# KiCad board noraneko42c.kicad_pcb
date: 2022-09-22
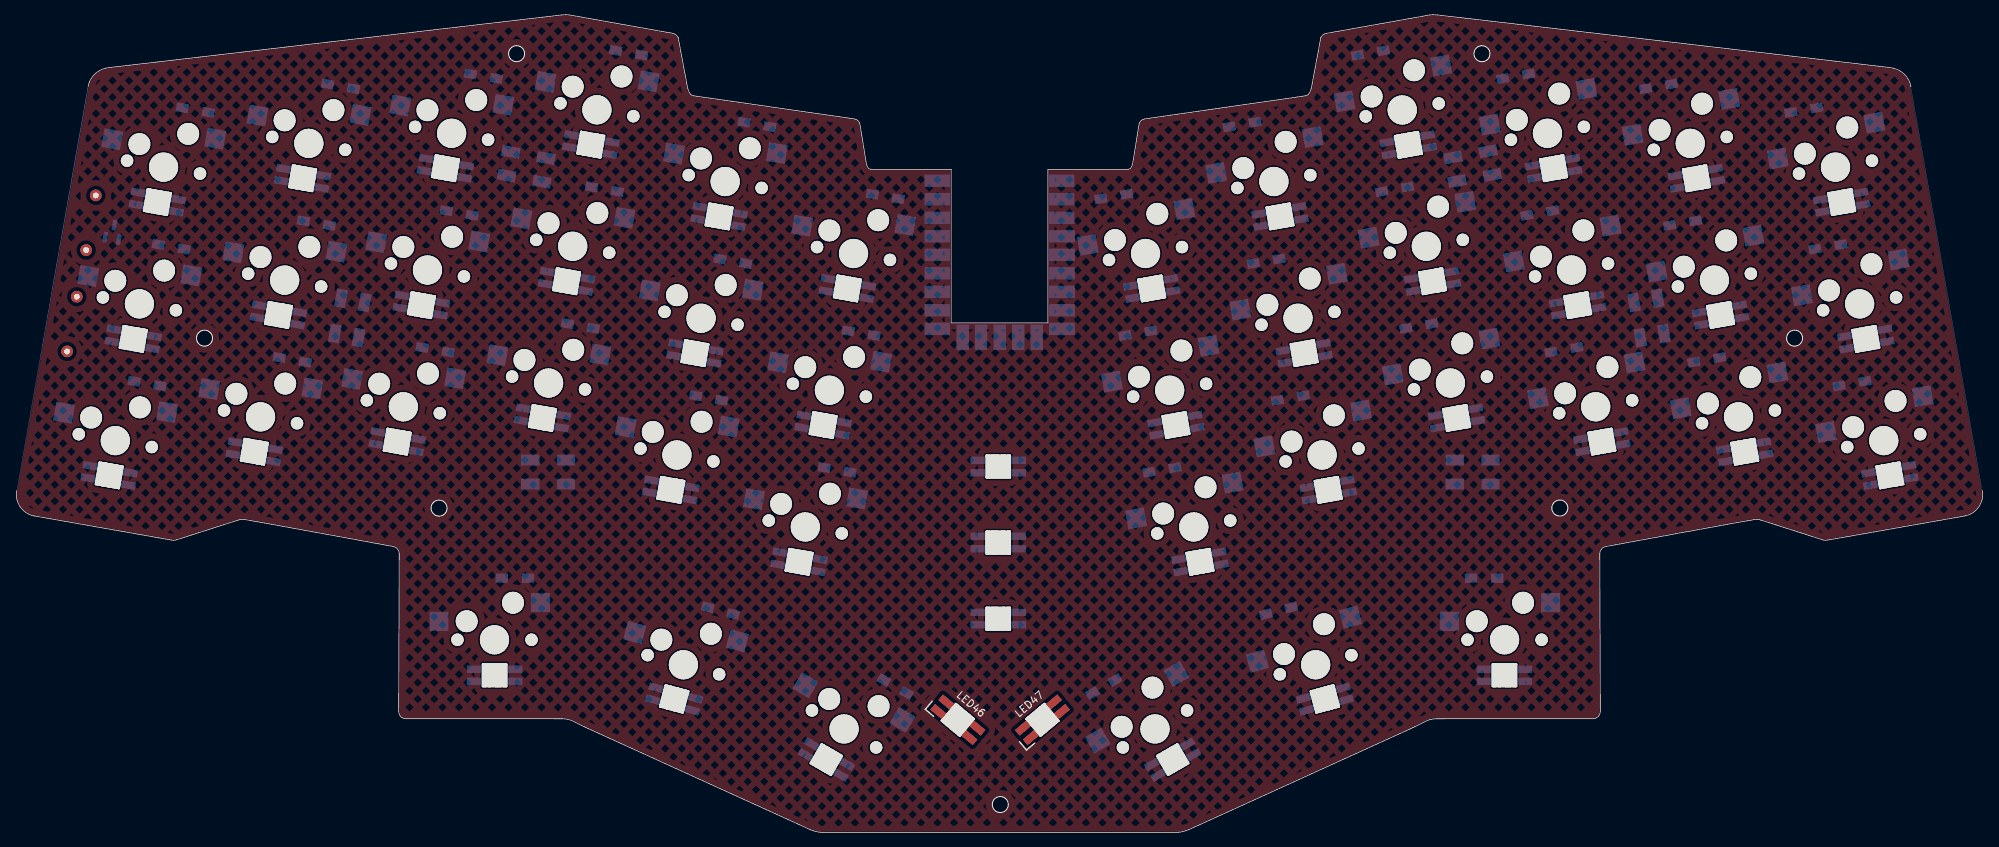
[diagram p0: board, top side]
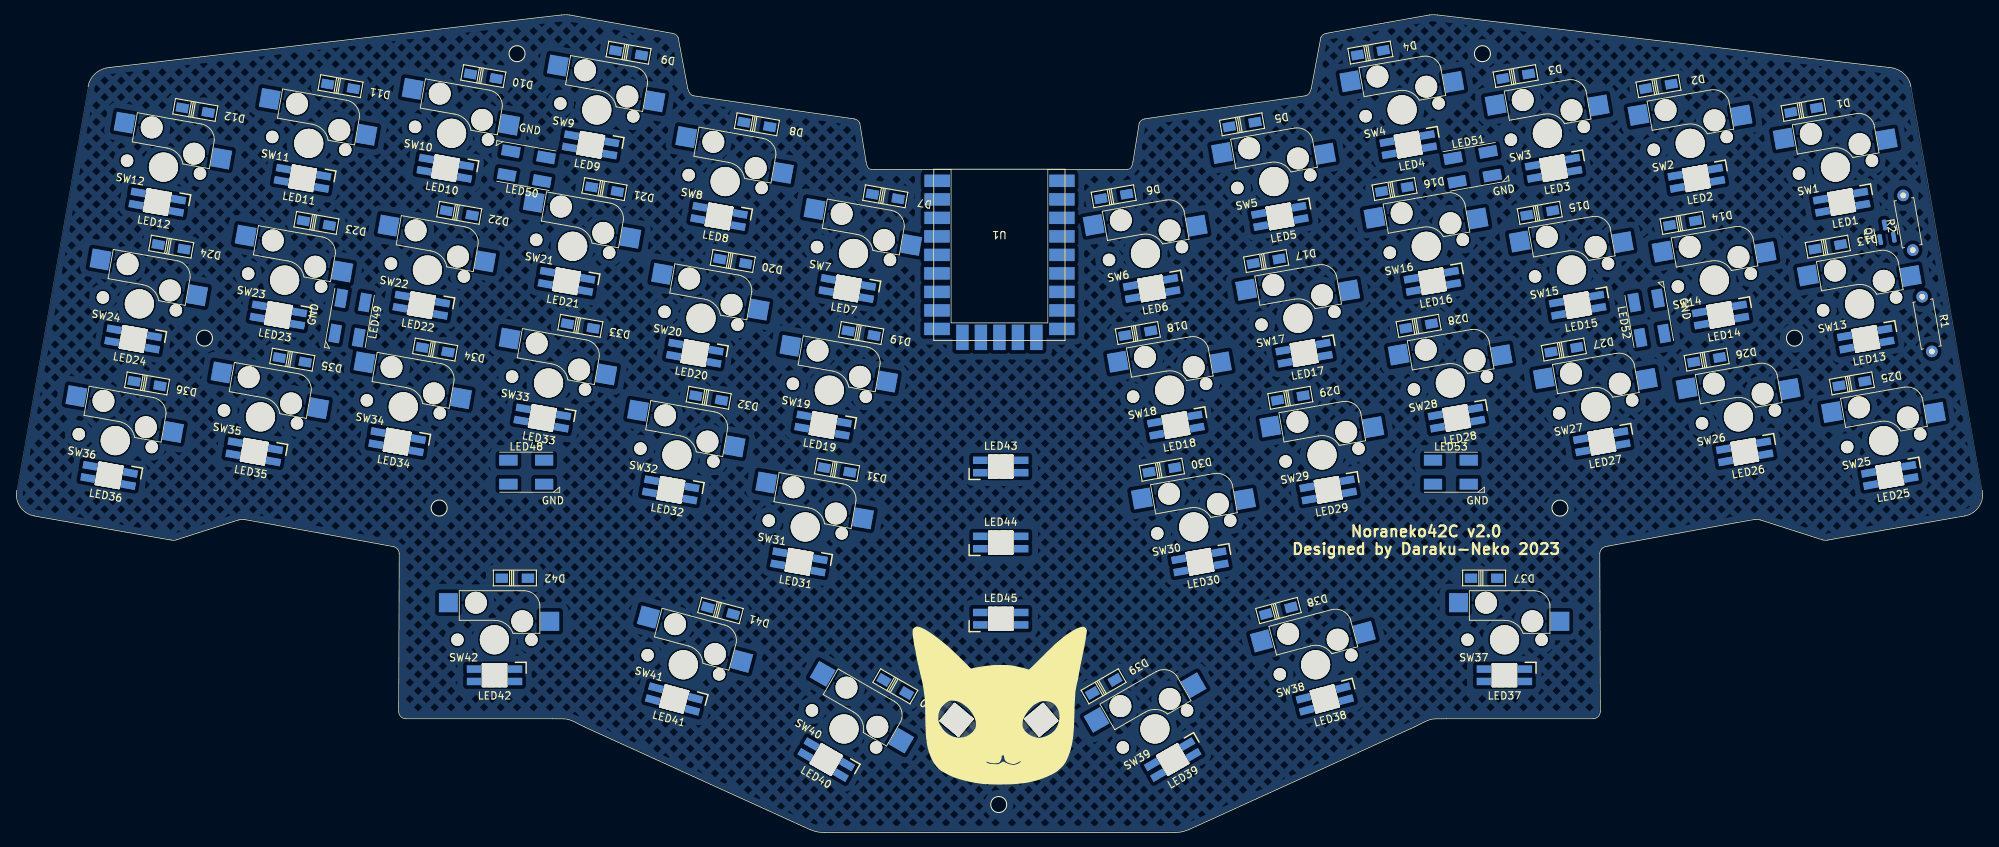
[diagram p1: board, bottom side, seen from below]

Outline 270.16 x 112.21 mm; copper layers: Top, Bottom. Coordinates in mm from the lower left corner of the outline.
Outline path: circle c26.05,67.81 r1.1 ; circle c58.22,44.5 r1.1 ; circle c68.85,106.84 r1.1 ; circle c135.19,3.83 r1.1 ; circle c201.25,106.84 r1.1 ; circle c211.93,44.51 r1.1 ; circle c244.12,67.81 r1.1 ; 22.24,40.16 30.69,42.87 ; 52.68,16.6 52.76,38.24 ; 73.8,15.6 53.68,15.6 ; 74.97,112.15 13.07,104.95 ; 76.12,112.15 90.27,109.63 ; 92.32,102.05 91.01,109.04 ; 93.14,101.06 115.17,97.89 ; 109.13,0.38 78.12,14.5 ; 116.77,92.02 115.92,97.3 ; 128.45,90.97 117.56,90.97 ; 152.6,90.97 141.72,90.97 ; 154.24,97.3 153.39,92.02 ; 154.99,97.89 177.02,101.06 ; 159.08,0.01 111.08,0.01 ; 179.15,109.04 177.84,102.05 ; 179.89,109.63 194.04,112.15 ; 192.04,14.5 161.03,0.38 ; 216.48,15.6 196.36,15.6 ; 217.4,38.24 217.48,16.6 ; 239.47,42.87 247.92,40.16 ; 257.09,104.95 195.19,112.15
Stack: Top 0.035mm / dielectric 1.51mm FR4 er 4.5 / Bottom 0.035mm

## Placement (name value [footprint] x y rotation side)
D1  D  [1N4148W]  24.78 99.1 170 bottom
D2  D  [1N4148W]  44.7 102.36 170 bottom
D3  D  [1N4148W]  64.29 103.74 170 bottom
D4  D  [1N4148W]  84.22 106.97 170 bottom
D5  D  [1N4148W]  101.81 97.13 170 bottom
D6  D  [1N4148W]  119.41 87.25 170 bottom
D7  D  [1N4148W]  150.75 87.25 190 bottom
D8  D  [1N4148W]  168.35 97.13 190 bottom
D9  D  [1N4148W]  185.96 106.95 190 bottom
D10  D  [1N4148W]  205.88 103.74 190 bottom
D11  D  [1N4148W]  225.46 102.36 190 bottom
D12  D  [1N4148W]  245.38 99.1 190 bottom
D13  D  [1N4148W]  21.48 80.34 170 bottom
D14  D  [1N4148W]  41.39 83.6 170 bottom
D15  D  [1N4148W]  60.98 84.98 170 bottom
D16  D  [1N4148W]  80.9 88.24 170 bottom
D17  D  [1N4148W]  98.5 78.37 170 bottom
D18  D  [1N4148W]  116.11 68.49 170 bottom
D19  D  [1N4148W]  154.06 68.49 190 bottom
D20  D  [1N4148W]  171.66 78.37 190 bottom
D21  D  [1N4148W]  189.26 88.24 190 bottom
D22  D  [1N4148W]  209.18 84.98 190 bottom
D23  D  [1N4148W]  228.77 83.6 190 bottom
D24  D  [1N4148W]  248.69 80.34 190 bottom
D25  D  [1N4148W]  18.17 61.58 170 bottom
D26  D  [1N4148W]  38.09 64.84 170 bottom
D27  D  [1N4148W]  57.67 66.22 170 bottom
D28  D  [1N4148W]  77.59 69.48 170 bottom
D29  D  [1N4148W]  95.2 59.61 170 bottom
D30  D  [1N4148W]  112.8 49.73 170 bottom
D31  D  [1N4148W]  157.37 49.73 190 bottom
D32  D  [1N4148W]  174.97 59.61 190 bottom
D33  D  [1N4148W]  192.57 69.48 190 bottom
D34  D  [1N4148W]  212.49 66.22 190 bottom
D35  D  [1N4148W]  232.08 64.84 190 bottom
D36  D  [1N4148W]  252 61.58 190 bottom
D37  D  [1N4148W]  68.62 34.88 180 bottom
D38  D  [1N4148W]  96.81 30.42 165 bottom
D39  D  [1N4148W]  120.79 20.02 150 bottom
D40  D  [1N4148W]  149.38 20.02 210 bottom
D41  D  [1N4148W]  173.35 30.42 195 bottom
D42  D  [1N4148W]  201.55 34.88 180 bottom
LED1  -  [SK6812MINI-E]  19.08 83.6 350 bottom
LED2  -  [SK6812MINI-E]  38.99 86.87 350 bottom
LED3  -  [SK6812MINI-E]  58.58 88.25 350 bottom
LED4  -  [SK6812MINI-E]  78.51 91.48 350 bottom
LED5  -  [SK6812MINI-E]  96.11 81.64 350 bottom
LED6  -  [SK6812MINI-E]  113.71 71.75 350 bottom
LED7  -  [SK6812MINI-E]  156.46 71.75 10 bottom
LED8  -  [SK6812MINI-E]  174.05 81.64 10 bottom
LED9  -  [SK6812MINI-E]  191.66 91.46 10 bottom
LED10  -  [SK6812MINI-E]  211.58 88.25 10 bottom
LED11  -  [SK6812MINI-E]  231.17 86.87 10 bottom
LED12  -  [SK6812MINI-E]  251.09 83.6 10 bottom
LED13  -  [SK6812MINI-E]  15.76 64.83 350 bottom
LED14  -  [SK6812MINI-E]  35.68 68.12 350 bottom
LED15  -  [SK6812MINI-E]  55.28 69.46 350 bottom
LED16  -  [SK6812MINI-E]  75.19 72.74 350 bottom
LED17  -  [SK6812MINI-E]  92.79 62.88 350 bottom
LED18  -  [SK6812MINI-E]  110.38 53.01 350 bottom
LED19  -  [SK6812MINI-E]  159.78 53.01 10 bottom
LED20  -  [SK6812MINI-E]  177.37 62.88 10 bottom
LED21  -  [SK6812MINI-E]  194.97 72.74 10 bottom
LED22  -  [SK6812MINI-E]  214.88 69.46 10 bottom
LED23  -  [SK6812MINI-E]  234.48 68.12 10 bottom
LED24  -  [SK6812MINI-E]  254.4 64.83 10 bottom
LED25  -  [SK6812MINI-E]  12.47 46.11 350 bottom
LED26  -  [SK6812MINI-E]  32.37 49.35 350 bottom
LED27  -  [SK6812MINI-E]  51.97 50.74 350 bottom
LED28  -  [SK6812MINI-E]  71.88 53.98 350 bottom
LED29  -  [SK6812MINI-E]  89.49 44.12 350 bottom
LED30  -  [SK6812MINI-E]  107.08 34.25 350 bottom
LED31  -  [SK6812MINI-E]  163.08 34.25 10 bottom
LED32  -  [SK6812MINI-E]  180.67 44.12 10 bottom
LED33  -  [SK6812MINI-E]  198.28 53.98 10 bottom
LED34  -  [SK6812MINI-E]  218.19 50.74 10 bottom
LED35  -  [SK6812MINI-E]  237.79 49.35 10 bottom
LED36  -  [SK6812MINI-E]  257.69 46.11 10 bottom
LED37  -  [SK6812MINI-E]  65.83 18.64 0 bottom
LED38  -  [SK6812MINI-E]  89.7 15.49 345 bottom
LED39  -  [SK6812MINI-E]  109.87 7.46 330 bottom
LED40  -  [SK6812MINI-E]  160.3 7.46 30 bottom
LED41  -  [SK6812MINI-E]  180.46 15.49 15 bottom
LED42  -  [SK6812MINI-E]  204.33 18.64 0 bottom
LED43  -  [SK6812MINI-E]  134.91 53.13 180 bottom
LED44  -  [SK6812MINI-E]  134.91 42.69 180 bottom
LED45  -  [SK6812MINI-E]  134.91 32.24 180 bottom
LED46  -  [SK6812MINI-E]  131.24 17.69 320 top
LED47  -  [SK6812MINI-E]  139.09 17.69 40 top
LED48  SK6812MINI-E  [WS2812B_PLCC4_5.0x5.0mm#2]  199.98 49.42 180 bottom
LED49  SK6812MINI-E  [WS2812B_PLCC4_5.0x5.0mm#3]  224.16 70.59 280 bottom
LED50  SK6812MINI-E  [WS2812B_PLCC4_5.0x5.0mm#3]  199.97 91.42 10 bottom
LED51  SK6812MINI-E  [WS2812B_PLCC4_5.0x5.0mm]  70.19 91.32 170 bottom
LED52  SK6812MINI-E  [WS2812B_PLCC4_5.0x5.0mm]  45.97 70.58 80 bottom
LED53  SK6812MINI-E  [WS2812B_PLCC4_5.0x5.0mm#2]  73.18 49.42 180 bottom
Q1  BSS138  [SOT-23]  13.52 82.43 80 bottom
R1  1K  [R_Axial_DIN0207_L6.3mm_D2.5mm_P7.62mm_Horizontal]  8.53 73.5 260 bottom
R2  1K  [R_Axial_DIN0207_L6.3mm_D2.5mm_P7.62mm_Horizontal]  9.82 79.9 80 bottom
SW1  SW_Push  [MX_Socket]  20.43 91.28 350 top
SW2  SW_Push  [MX_Socket]  40.35 94.54 350 top
SW3  SW_Push  [MX_Socket]  59.94 95.92 350 top
SW4  SW_Push  [MX_Socket]  79.86 99.15 350 top
SW5  SW_Push  [MX_Socket]  97.46 89.3 350 top
SW6  SW_Push  [MX_Socket]  115.06 79.43 350 top
SW7  SW_Push  [MX_Socket]  155.11 79.43 10 top
SW8  SW_Push  [MX_Socket]  172.71 89.3 10 top
SW9  SW_Push  [MX_Socket]  190.31 99.12 10 top
SW10  SW_Push  [MX_Socket]  210.23 95.92 10 top
SW11  SW_Push  [MX_Socket]  229.82 94.54 10 top
SW12  SW_Push  [MX_Socket]  249.74 91.28 10 top
SW13  SW_Push  [MX_Socket]  17.12 72.52 350 top
SW14  SW_Push  [MX_Socket]  37.04 75.78 350 top
SW15  SW_Push  [MX_Socket]  56.63 77.16 350 top
SW16  SW_Push  [MX_Socket]  76.55 80.42 350 top
SW17  SW_Push  [MX_Socket]  94.15 70.54 350 top
SW18  SW_Push  [MX_Socket]  111.75 60.67 350 top
SW19  SW_Push  [MX_Socket]  158.41 60.67 10 top
SW20  SW_Push  [MX_Socket]  176.02 70.54 10 top
SW21  SW_Push  [MX_Socket]  193.62 80.42 10 top
SW22  SW_Push  [MX_Socket]  213.54 77.16 10 top
SW23  SW_Push  [MX_Socket]  233.13 75.78 10 top
SW24  SW_Push  [MX_Socket]  253.04 72.52 10 top
SW25  SW_Push  [MX_Socket]  13.81 53.76 350 top
SW26  SW_Push  [MX_Socket]  33.73 57.02 350 top
SW27  SW_Push  [MX_Socket]  53.32 58.4 350 top
SW28  SW_Push  [MX_Socket]  73.24 61.66 350 top
SW29  SW_Push  [MX_Socket]  90.84 51.78 350 top
SW30  SW_Push  [MX_Socket]  108.44 41.91 350 top
SW31  SW_Push  [MX_Socket]  161.72 41.91 10 top
SW32  SW_Push  [MX_Socket]  179.33 51.78 10 top
SW33  SW_Push  [MX_Socket]  196.93 61.66 10 top
SW34  SW_Push  [MX_Socket]  216.85 58.4 10 top
SW35  SW_Push  [MX_Socket]  236.43 57.02 10 top
SW36  SW_Push  [MX_Socket]  256.35 53.76 10 top
SW37  SW_Push  [MX_Socket]  65.82 26.43 0 top
SW38  SW_Push  [MX_Socket]  91.73 23.01 345 top
SW39  SW_Push  [MX_Socket]  113.76 14.2 330 top
SW40  SW_Push  [MX_Socket]  156.4 14.2 30 top
SW41  SW_Push  [MX_Socket]  178.44 23.01 15 top
SW42  SW_Push  [MX_Socket]  204.35 26.43 0 top
U1  RP2040-Zero  [RP2040-Zero-SMD]  135.09 79.99 180 bottom

## Library data of the parts
D1-D42 = -: Description: Diode, small symbol; LCSC: C81598; Sim.Pins: 1=K 2=A
LED48-LED53 = -: Field4: 1
Q1 = -: Description: 50V Vds, 0.22A Id, N-Channel MOSFET, SOT-23; LCSC: C2874697
R1 R2 = -: Description: Resistor
SW1-SW42 = -: Description: Push button switch, generic, two pins

## Footprints (pads in the part's own frame, mm; a bottom-side part is the same pattern mirrored in y, then rotated)
1N4148W
  rect 1.7x1.25 smd: 1(-1.8,0) 2(1.8,0)
MX_Socket
  round 1.7 hole 1.7 unplated: (-5.081,-0.001) (5.079,-0.001)
  round 3 hole 3 unplated: (-3.811,2.539) (2.539,5.079)
  round 4 hole 4 unplated: (0,0)
  rect 2.6x2.6 smd far side: 1(6.314,5.079) 2(-7.586,2.539)
R_Axial_DIN0207_L6.3mm_D2.5mm_P7.62mm_Horizontal
  round 1.6 hole 0.8: 1(0,0)
  oval 1.6x1.6 hole 0.8: 2(7.62,0)
RP2040-Zero-SMD
  rect 3.5x1.7 smd: 0(9.47,9.41) 1(9.47,6.87) 2(9.47,4.33) 3(9.47,1.79) 4(9.47,-0.75) 5(9.47,-3.29) 6(9.47,-5.83) 7(9.47,-8.37) 8(9.47,-10.91) 14(-9.46,-10.91) 15(-9.46,-8.37) 26(-9.46,-5.83) 27(-9.46,-3.29) 28(-9.46,-0.75) 29(-9.46,1.79) 30(-9.43,4.33) 31(-9.43,6.87) 32(-9.43,9.41)
  rect 1.7x3.5 smd: 9(5.08,-12.96) 10(2.54,-12.96) 11(0,-12.96) 12(-2.54,-12.96) 13(-5.08,-12.96)
SK6812MINI-E
  oval 0.3x3.3 hole 0.3x3.3 unplated: (-1.6,-2.925) (1.6,-2.925)
  oval 0.5x3.3 hole 0.5x3.3 unplated: (-1.325,-2.925) (1.325,-2.925)
  oval 1.5x3.3 hole 1.5x3.3 unplated: (-0.7,-2.925) (0.25,-2.925) (0.675,-2.925)
  oval 3.5x0.3 hole 3.5x0.3 unplated: (0,-1.425) (0,-4.425)
  rect 2x1.02 smd: 1(2.8,-2.067) 2(2.8,-3.768) 3(-2.8,-3.768) 4(-2.8,-2.067)
SOT-23
  rrect 1.475x0.6 smd: 1(-0.938,0.95) 2(-0.938,-0.95) 3(0.938,0)
WS2812B_PLCC4_5.0x5.0mm
  rect 2.5x1.5 smd: 1(-2.45,1.65) 2(-2.45,-1.65) 3(2.45,-1.65) 4(2.45,1.65)
WS2812B_PLCC4_5.0x5.0mm#2
  rect 2.5x1.5 smd: 1(-2.45,1.65) 2(-2.45,-1.65) 3(2.45,-1.65) 4(2.45,1.65)
WS2812B_PLCC4_5.0x5.0mm#3
  rect 2.5x1.5 smd: 1(-2.45,1.65) 2(-2.45,-1.65) 3(2.45,-1.65) 4(2.45,1.65)

## Nets
+3.3V: Q1.1 R1.1 U1.30
+5V: LED1.1 LED2.1 LED3.1 LED4.1 LED5.1 LED6.1 LED7.1 LED8.1 LED9.1 LED10.1 LED11.1 LED12.1 LED13.1 LED14.1 LED15.1 LED16.1 LED17.1 LED18.1 LED19.1 LED20.1 LED21.1 LED22.1 LED23.1 LED24.1 LED25.1 LED26.1 LED27.1 LED28.1 LED29.1 LED30.1 LED31.1 LED32.1 LED33.1 LED34.1 LED35.1 LED36.1 LED37.1 LED38.1 LED39.1 LED40.1 LED41.1 LED42.1 LED43.1 LED44.1 LED45.1 LED46.1 LED47.1 LED48.1 LED49.1 LED50.1 LED51.1 LED52.1 LED53.1 R2.1 U1.32
GND: LED1.3 LED2.3 LED3.3 LED4.3 LED5.3 LED6.3 LED7.3 LED8.3 LED9.3 LED10.3 LED11.3 LED12.3 LED13.3 LED14.3 LED15.3 LED16.3 LED17.3 LED18.3 LED19.3 LED20.3 LED21.3 LED22.3 LED23.3 LED24.3 LED25.3 LED26.3 LED27.3 LED28.3 LED29.3 LED30.3 LED31.3 LED32.3 LED33.3 LED34.3 LED35.3 LED36.3 LED37.3 LED38.3 LED39.3 LED40.3 LED41.3 LED42.3 LED43.3 LED44.3 LED45.3 LED46.3 LED47.3 LED48.3 LED49.3 LED50.3 LED51.3 LED52.3 LED53.3 U1.31
COL0: SW1.1 SW13.1 SW25.1 U1.1
COL1: SW2.1 SW14.1 SW26.1 U1.2
COL2: SW3.1 SW15.1 SW27.1 U1.3
COL3: SW4.1 SW16.1 SW28.1 SW37.1 U1.4
COL4: SW5.1 SW17.1 SW29.1 SW38.1 U1.5
COL5: SW6.1 SW18.1 SW30.1 SW39.1 U1.6
COL6: SW7.1 SW19.1 SW31.1 SW40.1 U1.7
COL7: SW8.1 SW20.1 SW32.1 SW41.1 U1.8
COL8: SW9.1 SW21.1 SW33.1 SW42.1 U1.9
COL9: SW10.1 SW22.1 SW34.1 U1.10
COL10: SW11.1 SW23.1 SW35.1 U1.11
COL11: SW12.1 SW24.1 SW36.1 U1.12
LED3.3V: Q1.2 R1.2 U1.0
LED5V: LED1.4 Q1.3 R2.2
ROW0: D1.1 D2.1 D3.1 D4.1 D5.1 D6.1 D7.1 D8.1 D9.1 D10.1 D11.1 D12.1 U1.15
ROW1: D13.1 D14.1 D15.1 D16.1 D17.1 D18.1 D19.1 D20.1 D21.1 D22.1 D23.1 D24.1 U1.26
ROW2: D25.1 D26.1 D27.1 D28.1 D29.1 D30.1 D31.1 D32.1 D33.1 D34.1 D35.1 D36.1 U1.27
ROW3: D37.1 D38.1 D39.1 D40.1 D41.1 D42.1 U1.28
Net-(D1-A): D1.2 SW1.2
Net-(D2-A): D2.2 SW2.2
Net-(D3-A): D3.2 SW3.2
Net-(D4-A): D4.2 SW4.2
Net-(D5-A): D5.2 SW5.2
Net-(D6-A): D6.2 SW6.2
Net-(D7-A): D7.2 SW7.2
Net-(D8-A): D8.2 SW8.2
Net-(D9-A): D9.2 SW9.2
Net-(D10-A): D10.2 SW10.2
Net-(D11-A): D11.2 SW11.2
Net-(D12-A): D12.2 SW12.2
Net-(D13-A): D13.2 SW13.2
Net-(D14-A): D14.2 SW14.2
Net-(D15-A): D15.2 SW15.2
Net-(D16-A): D16.2 SW16.2
Net-(D17-A): D17.2 SW17.2
Net-(D18-A): D18.2 SW18.2
Net-(D19-A): D19.2 SW19.2
Net-(D20-A): D20.2 SW20.2
Net-(D21-A): D21.2 SW21.2
Net-(D22-A): D22.2 SW22.2
Net-(D23-A): D23.2 SW23.2
Net-(D24-A): D24.2 SW24.2
Net-(D25-A): D25.2 SW25.2
Net-(D26-A): D26.2 SW26.2
Net-(D27-A): D27.2 SW27.2
Net-(D28-A): D28.2 SW28.2
Net-(D29-A): D29.2 SW29.2
Net-(D30-A): D30.2 SW30.2
Net-(D31-A): D31.2 SW31.2
Net-(D32-A): D32.2 SW32.2
Net-(D33-A): D33.2 SW33.2
Net-(D34-A): D34.2 SW34.2
Net-(D35-A): D35.2 SW35.2
Net-(D36-A): D36.2 SW36.2
Net-(D37-A): D37.2 SW37.2
Net-(D38-A): D38.2 SW38.2
Net-(D39-A): D39.2 SW39.2
Net-(D40-A): D40.2 SW40.2
Net-(D41-A): D41.2 SW41.2
Net-(D42-A): D42.2 SW42.2
Net-(LED1-DOUT): LED1.2 LED2.4
Net-(LED2-DOUT): LED2.2 LED3.4
Net-(LED3-DOUT): LED3.2 LED4.4
Net-(LED4-DOUT): LED4.2 LED5.4
Net-(LED5-DOUT): LED5.2 LED6.4
Net-(LED6-DOUT): LED6.2 LED7.4
Net-(LED7-DOUT): LED7.2 LED8.4
Net-(LED8-DOUT): LED8.2 LED9.4
Net-(LED10-DIN): LED9.2 LED10.4
Net-(LED10-DOUT): LED10.2 LED11.4
Net-(LED11-DOUT): LED11.2 LED12.4
Net-(LED12-DOUT): LED12.2 LED13.4
Net-(LED13-DOUT): LED13.2 LED14.4
Net-(LED14-DOUT): LED14.2 LED15.4
Net-(LED15-DOUT): LED15.2 LED16.4
Net-(LED16-DOUT): LED16.2 LED17.4
Net-(LED17-DOUT): LED17.2 LED18.4
Net-(LED18-DOUT): LED18.2 LED19.4
Net-(LED19-DOUT): LED19.2 LED20.4
Net-(LED20-DOUT): LED20.2 LED21.4
Net-(LED21-DOUT): LED21.2 LED22.4
Net-(LED22-DOUT): LED22.2 LED23.4
Net-(LED23-DOUT): LED23.2 LED24.4
Net-(LED24-DOUT): LED24.2 LED25.4
Net-(LED25-DOUT): LED25.2 LED26.4
Net-(LED26-DOUT): LED26.2 LED27.4
Net-(LED27-DOUT): LED27.2 LED28.4
Net-(LED28-DOUT): LED28.2 LED29.4
Net-(LED29-DOUT): LED29.2 LED30.4
Net-(LED30-DOUT): LED30.2 LED31.4
Net-(LED31-DOUT): LED31.2 LED32.4
Net-(LED32-DOUT): LED32.2 LED33.4
Net-(LED33-DOUT): LED33.2 LED34.4
Net-(LED34-DOUT): LED34.2 LED35.4
Net-(LED35-DOUT): LED35.2 LED36.4
Net-(LED36-DOUT): LED36.2 LED37.4
Net-(LED37-DOUT): LED37.2 LED38.4
Net-(LED38-DOUT): LED38.2 LED39.4
Net-(LED39-DOUT): LED39.2 LED40.4
Net-(LED40-DOUT): LED40.2 LED41.4
Net-(LED41-DOUT): LED41.2 LED42.4
Net-(LED42-DOUT): LED42.2 LED43.4
Net-(LED43-DOUT): LED43.2 LED44.4
Net-(LED44-DOUT): LED44.2 LED45.4
Net-(LED45-DOUT): LED45.2 LED46.4
Net-(LED46-DOUT): LED46.2 LED47.4
Net-(LED47-DOUT): LED47.2 LED48.4
Net-(LED48-DOUT): LED48.2 LED49.4
Net-(LED49-DOUT): LED49.2 LED50.4
Net-(LED50-DOUT): LED50.2 LED51.4
Net-(LED51-DOUT): LED51.2 LED52.4
Net-(LED52-DOUT): LED52.2 LED53.4

Pads without a net: LED53 2; U1 13 14 29

## Copper pours and planes (outline as drawn; the poured copper is in the pictures)
(no net) on Top, Bottom: 260.64,105.65 271.18,43.64 248.35,38.93 238.84,42.21 218.39,38.45 218.15,14.97 194.97,14.97 160.87,-0.64 109.6,-0.64 75.83,15.03 52.12,15.1 51.84,38.45 51.32,38.46 31.07,42.61 22,39.54 -0.85,43.7 10.05,104.88 76.03,112.92 91.55,109.72 93.01,101.6 116.53,98.03 117.63,91.69 152.51,91.52 153.98,98.42 177.23,101.91 179.1,110.2 194.63,112.82

## Text on the board
B.Silkscreen: Noraneko42C v2.0 / Designed by Daraku-Neko 2023
